# Altium PCB CU-ON-OFF-V2-08-11-18.PcbDoc (part 2 of 14)
Units mm, origin at the board's own origin, x right, y up, seen from the top; angles counter-clockwise.
Board outline 213 x 122.62 mm, 2 copper layers (Top Layer, Bottom Layer); 304 components, 53 nets, 991 pads, 702 vias.
Unrouted connection lines stored in the file: 1.
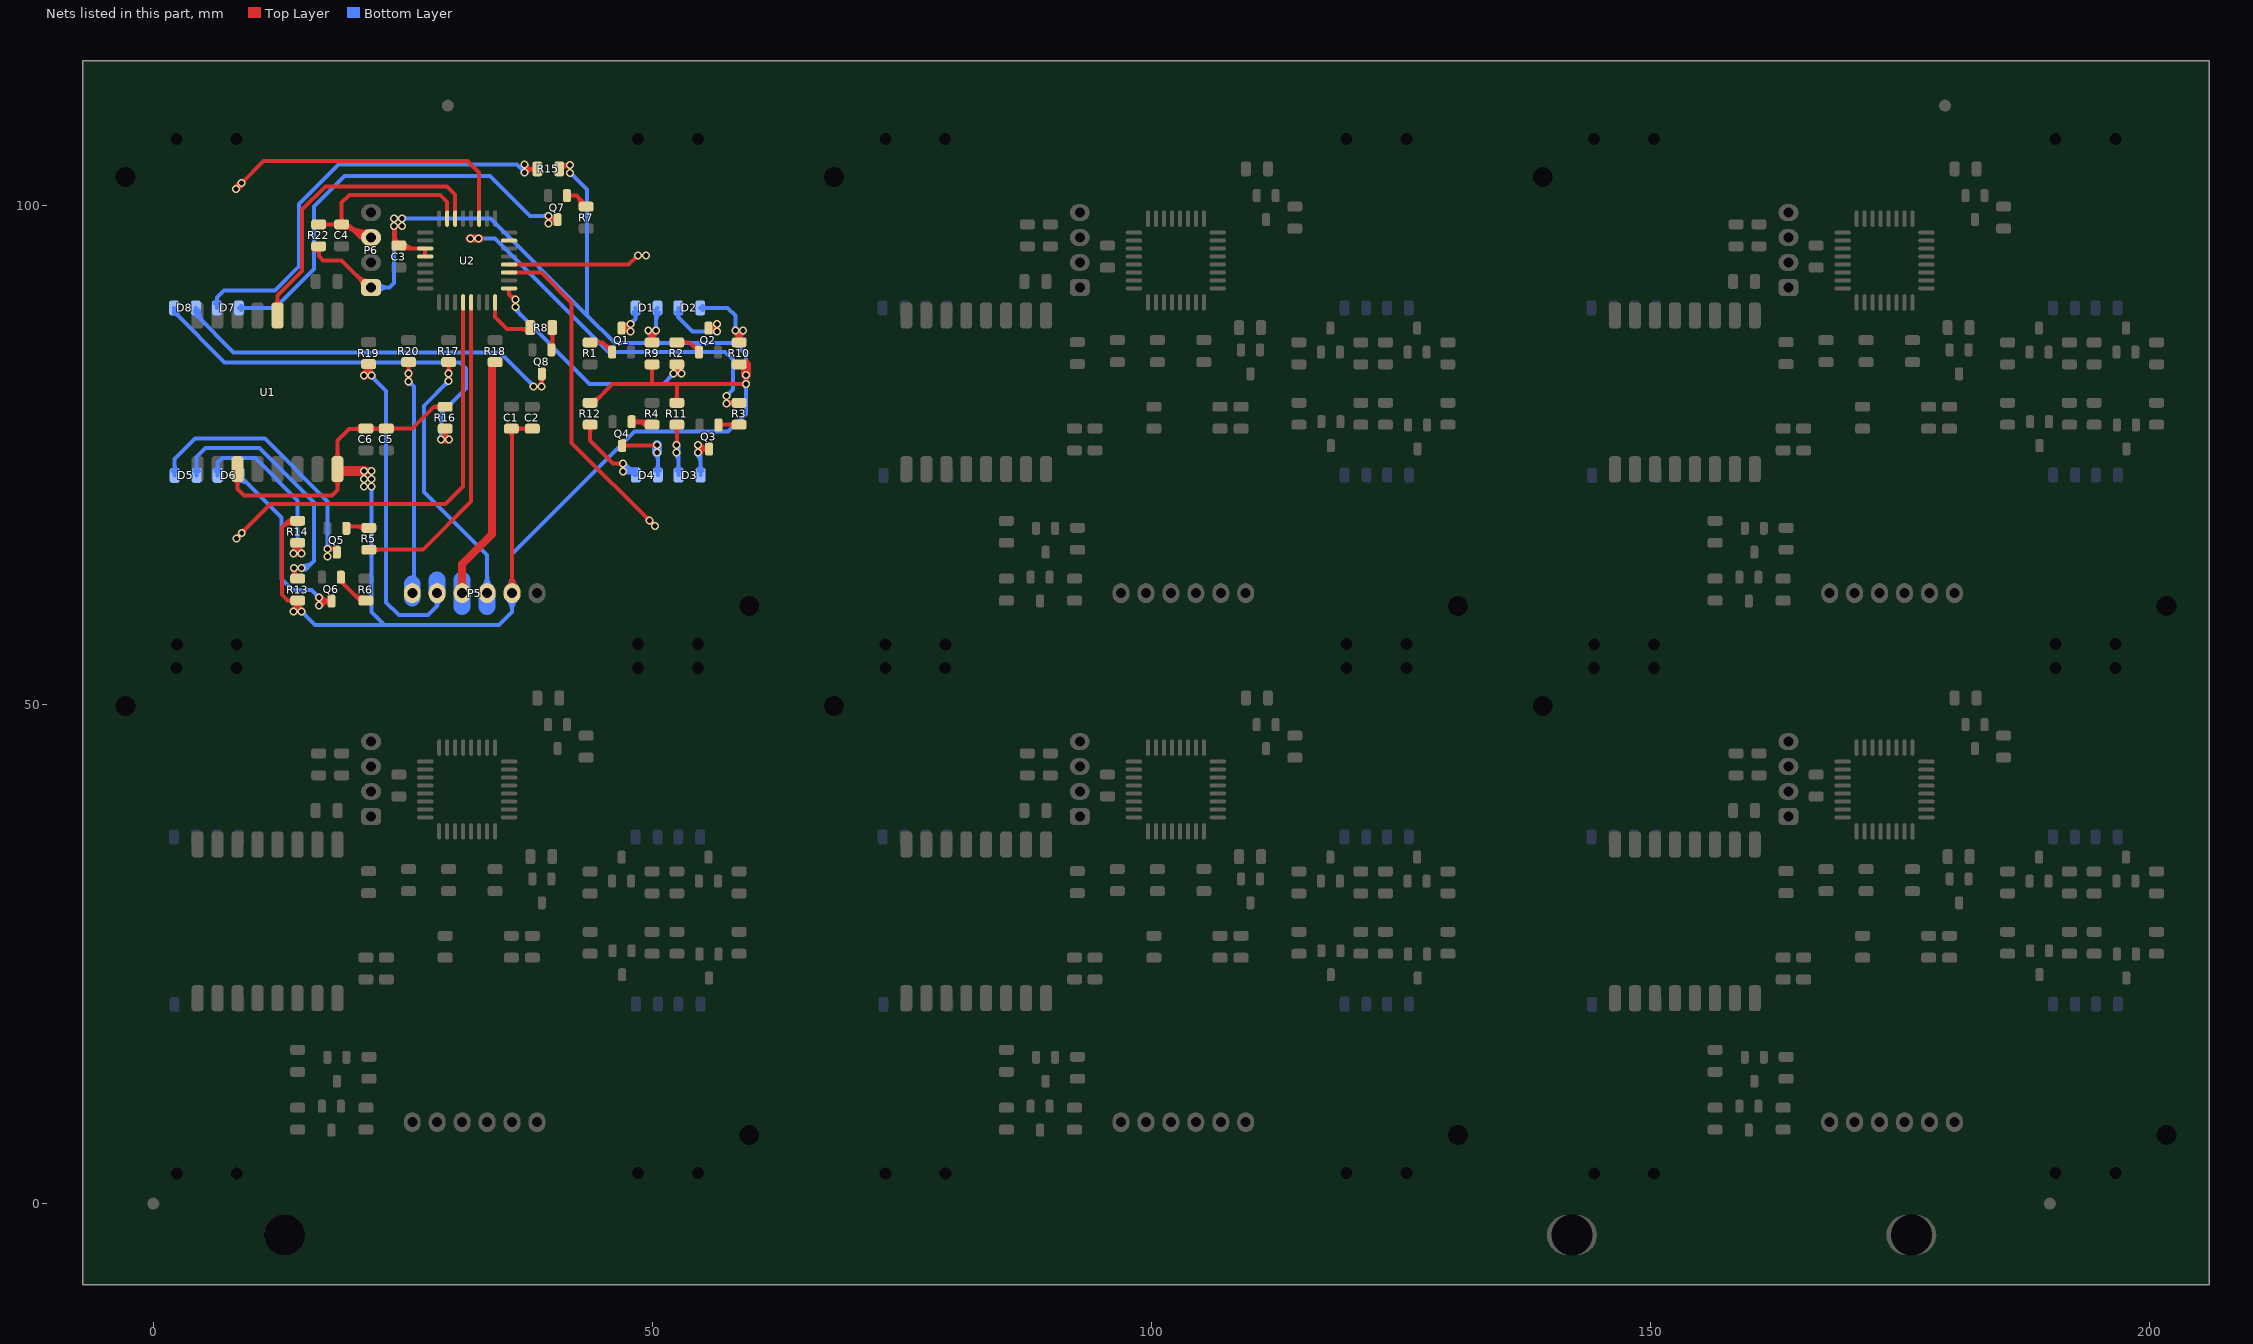
[diagram p2: the nets of this part, all layers, seen from the top]

## Via types
v1: diameter 0.8, hole 0.5, Top Layer to Bottom Layer, 702 vias

## Nets (pads, with @x,y where several pads share a name; then routed paths per layer and width w, separated by ;. In a path a pad name is that pad's centre, name@x,y a point inside that pad or via, vN(x,y) a via of type N, cw(c..) or ccw(c..) an arc to the next point about the centre after c; other vN are vias at no path point) (continued)
"LED X1": R2.2 U2.17 | length 34.7
  Top Layer w0.4: U2.17@35.641,91.681 35.641,91.081 36.266,90.456 v1(36.266,89.806) ; 35.711,91.011 ccw(c36.266,91.566) v1@36.266,90.781 ; v1@36.125,89.947 ccw(c35.783,90.289) 36.266,90.289 ccw(c36.749,90.289) v1@36.407,89.947 ; v1@36.125,90.44 cw(c35.783,90.098) 36.266,90.098 cw(c36.749,90.098) v1@36.407,90.44 ; v1@36.148,89.968 ccw(c36.013,90.154) v1@36.235,90.213 ; v1@36.297,90.213 ccw(c36.519,90.154) v1@36.384,89.968 ; v1@52.027,83.331 ccw(c51.556,84.081) R2.2@52.441,84.081 ; v1@52.074,83.353 ccw(c51.872,84.013) R2.2@52.539,83.834 ; v1(52.133,83.162) 52.441,83.47 ; v1@52.148,83.361 ccw(c52.176,83.735) 52.441,83.47 ; R2.2@52.258,83.844 cw(c51.969,83.47) 52.441,83.47 ; v1@52.332,83.177 cw(c52.706,83.205) 52.441,83.47 ; 52.441,83.53 ccw(c53.028,83.53) v1@52.846,82.972 ; R2.2@52.624,83.844 ccw(c52.913,83.47) 52.441,83.47 ; v1@52.97,83.352 cw(c53.207,84.081) R2.2@52.441,84.081 ; 52.441,83.47 R2.2@52.441,84.081
  Bottom Layer w0.4: v1@36.125,89.947 ccw(c35.783,90.289) 36.266,90.289 ccw(c36.749,90.289) v1@36.407,89.947 ; v1@36.125,90.44 cw(c35.783,90.098) 36.266,90.098 cw(c36.749,90.098) v1@36.407,90.44 ; v1@36.148,89.968 ccw(c36.013,90.154) v1@36.235,90.213 ; v1(36.266,90.581) 36.266,89.556 43.698,82.124 51.095,82.124 v1(52.133,83.162) ; v1@36.297,90.213 ccw(c36.519,90.154) v1@36.384,89.968 ; v1@36.466,89.806 ccw(c37.552,89.806) 36.784,89.038 ; v1@51.933,83.162 cw(c51.45,83.162) 51.792,82.821 cw(c52.133,82.479) v1@52.133,82.962
  other v1: 52.908,83.162
"LED X2": R3.2 U2.23 | length 45.6
  Top Layer w0.4: v1@31.939,96.815 ccw(c32.747,97.623) v1@32.747,96.481 ; 32.166,96.481 ccw(c32.166,96.688) v1@32.373,96.681 ; v1(57.42,80.137) 57.513,80.231 R3.2@58.691,80.231 ; v1@57.52,80.311 ccw(c57.738,80.689) 57.851,80.267 ; v1@57.561,79.996 cw(c58.128,79.429) R3.2@58.128,80.231 ; v1@57.593,80.037 cw(c58.051,79.773) 57.914,80.284 ; R3.2@58.229,80.019 ccw(c57.717,79.507) 57.717,80.231 ccw(c57.717,80.955) R3.2@58.229,80.443
  Top Layer w0.8: v1@31.666,96.681 v1(32.573,96.674) ; v1(31.798,96.674) v1@32.705,96.667
  Bottom Layer w0.4: v1(31.798,96.674) 34.248,96.674 45.596,85.326 57.281,85.326 58.058,84.549 58.058,81.551 v1(57.42,80.913) ; v1@31.939,96.533 cw(c32.281,96.191) 32.281,96.674 cw(c32.281,97.157) v1@31.939,96.815 ; v1@32.166,96.643 cw(c32.225,96.421) v1@32.411,96.556 ; v1@32.166,96.705 ccw(c32.225,96.927) v1@32.411,96.792 ; v1@32.432,96.533 ccw(c32.09,96.191) 32.09,96.674 ccw(c32.09,97.157) v1@32.432,96.815 ; v1@32.714,96.533 cw(c33.056,96.191) 33.056,96.674 cw(c33.056,97.157) v1@32.714,96.815 ; v1@57.42,81.113 ccw(c57.42,81.595) 57.761,81.254 ccw(c58.102,80.913) v1@57.62,80.913
"LED X3": R5.2 U2.13 | length 33.3
  Top Layer w0.4: R5.2@21.616,65.506 27.016,65.506 31.841,70.331 U2.13@31.841,90.281 ; R5.2@22.053,65.294 cw(c22.565,64.782) 22.565,65.506 cw(c22.565,66.23) R5.2@22.053,65.718
"LED X4": R8.2 U2.16 | length 6.3
  Top Layer w0.4: U2.16@34.241,90.281 34.241,88.806 35.441,87.606 R8.2@37.766,87.606 ; 36.8,87.606 cw(c36.8,86.54) R8.2@37.554,87.294
NetD1_1: D1.1 R9.2 | length 11.9
  Top Layer w0.4: v1@49.454,87.321 cw(c48.528,86.221) R9.2@49.966,86.221 ; v1@49.505,87.29 ccw(c49.711,87.776) v1@50.174,87.524 ; v1@49.583,87.274 cw(c49.583,86.791) 49.924,87.133 cw(c50.266,87.474) v1@49.783,87.474 ; v1(49.583,87.474) 49.966,87.091 R9.2@49.966,86.281 ; v1@49.712,87.627 cw(c49.252,87.081) 49.966,87.081 ; R9.2@49.754,86.493 ccw(c49.242,87.005) 49.966,87.005 ccw(c50.69,87.005) R9.2@50.178,86.493 ; R9.2@49.966,86.218 cw(c51.394,86.218) v1@50.485,87.32 ; 49.966,87.067 cw(c50.694,87.067) v1@50.231,87.628
  Bottom Layer w0.4: v1@50.217,87.615 ccw(c49.875,87.957) 50.358,87.957 ccw(c50.841,87.957) v1@50.499,87.615 ; v1(50.358,87.474) 50.358,89.573 D1.1@50.516,89.731 ; 50.358,88.375 cw(c51.622,88.375) D1.1@50.728,89.269
NetD1_2: D1.2 Q1.1 | length 14.5
  Top Layer w0.4: Q1.1@46.782,87.807 ccw(c47.13,88.194) 47.498,87.826 ; Q1.1@47.05,88.105 ccw(c47.413,88.507) v1(47.796,88.124) 47.378,87.706 ; Q1.1@47.062,87.569 cw(c47.378,87.272) 47.378,87.706 ; Q1.1@47.062,87.843 ccw(c47.378,88.139) 47.378,87.706 ; Q1.1@47.21,87.66 ccw(c46.791,88.386) v1@47.602,88.174 ; 47.443,87.795 ccw(c47.288,88.065) v1@47.597,88.101 ; 47.486,87.706 ccw(c47.486,88.236) v1@47.984,88.056 ; 47.548,87.706 cw(c47.548,87.232) v1@47.977,87.435 ; v1@47.596,88.124 cw(c47.113,88.124) 47.455,87.783 cw(c47.796,87.441) v1@47.796,87.924 ; v1@47.608,88.192 cw(c46.916,88.441) Q1.1@46.916,87.706 ; v1@47.615,87.263 ccw(c46.916,86.932) Q1.1@46.916,87.706 ; Q1.1@46.916,87.706 47.378,87.706 ; 47.449,87.743 cw(c47.378,87.005) 47.95,87.476 ccw(c47.378,87.005) 47.449,87.743 ; v1@47.603,88.177 ccw(c48.091,88.043) 47.914,87.569 cw(c48.091,88.043) v1@47.603,88.177
  Bottom Layer w0.4: v1(47.796,88.124) 48.316,88.644 D1.2@48.316,89.731 ; v1@47.796,88.324 ccw(c47.796,88.807) 48.137,88.465 ccw(c48.479,88.124) v1@47.996,88.124 ; D1.2@48.104,89.269 cw(c47.592,88.757) 48.316,88.757 cw(c49.04,88.757) D1.2@48.528,89.269
  other v1: 47.796,87.349
NetD2_1: D2.1 R10.2 | length 14.2
  Top Layer w0.4: v1@58.179,87.321 cw(c57.253,86.221) R10.2@58.691,86.221 ; v1@58.308,87.274 cw(c58.308,86.791) 58.649,87.133 cw(c58.991,87.474) v1@58.508,87.474 ; v1(58.308,87.474) 58.691,87.091 R10.2@58.691,86.281 ; v1@58.437,87.627 cw(c57.977,87.081) 58.691,87.081 ; R10.2@58.479,86.493 ccw(c57.967,87.005) 58.691,87.005 ccw(c59.415,87.005) R10.2@58.903,86.493 ; R10.2@58.691,86.218 cw(c60.119,86.218) v1@59.21,87.32 ; 58.691,87.067 cw(c59.419,87.067) v1@58.956,87.628
  Bottom Layer w0.4: D2.1@54.791,89.731 57.541,89.731 58.308,88.964 v1(58.308,87.474) ; D2.1@55.003,89.519 cw(c55.515,89.007) 55.515,89.731 cw(c55.515,90.455) D2.1@55.003,89.943 ; v1@58.167,87.615 ccw(c57.825,87.957) 58.308,87.957 ccw(c58.791,87.957) v1@58.449,87.615
  other v1: 59.083,87.474
NetD2_2: D2.2 Q2.1 | length 13.7
  Top Layer w0.4: Q2.1@55.688,87.816 cw(c55.453,86.938) v1@56.297,87.275 ; Q2.1@55.757,87.565 cw(c56.099,87.223) 56.099,87.706 cw(c56.099,88.189) Q2.1@55.757,87.847 ; 56.177,87.706 ccw(c56.177,88.23) v1@56.672,88.059 ; 56.239,87.706 cw(c56.239,87.237) v1@56.665,87.432 ; v1@56.283,87.349 ccw(c55.8,87.349) 56.142,87.69 ccw(c56.483,88.032) v1@56.483,87.549 ; v1@56.294,88.189 cw(c55.616,88.423) Q2.1@55.616,87.706 ; v1@56.301,87.266 ccw(c55.616,86.953) Q2.1@55.616,87.706 ; v1(56.483,87.349) 56.126,87.706 Q2.1@55.616,87.706
  Bottom Layer w0.4: D2.2@52.379,89.269 cw(c51.867,88.757) 52.591,88.757 ; D2.2@52.591,89.731 52.591,88.756 ; D2.2@52.803,89.269 ccw(c53.315,88.757) 52.591,88.757 ; v1@56.342,87.208 ccw(c56,86.866) 56,87.349 ccw(c56,87.832) v1@56.342,87.49 ; v1(56.483,87.349) 53.998,87.349 52.591,88.756
  other v1: 56.483,88.124
NetD3_1: D3.1 R11.2 | length 10.4
  Top Layer w0.4: R11.2@52.229,77.819 cw(c51.717,77.307) 52.441,77.307 cw(c53.165,77.307) R11.2@52.653,77.819 ; v1@52.292,76.14 ccw(c51.931,76.501) 52.441,76.501 ; v1(52.433,75.999) 52.441,76.007 R11.2@52.441,78.031 ; 52.441,76.463 ccw(c52.897,76.463) v1@52.574,76.14
  Bottom Layer w0.4: v1@52.292,75.083 cw(c51.508,74.299) 52.616,74.299 ; v1@52.292,75.858 cw(c51.508,75.074) v1@52.616,75.074 ; v1@52.351,75.406 ccw(c52.167,75.816) v1@52.616,75.816 ; D3.1@52.404,73.443 ccw(c51.892,73.955) 52.616,73.955 ccw(c53.34,73.955) D3.1@52.828,73.443 ; v1(52.433,75.999) v1@52.616,75.816 ; D3.1@52.616,72.981 52.616,74.268 v1@52.616,75.816
  other v1: 52.433,75.224
NetD3_2: D3.2 Q3.1 | length 12.9
  Top Layer w0.4: v1@54.414,75.891 ccw(c54.936,76.224) 54.936,75.606 ; v1@54.416,75.334 cw(c54.922,75) 54.922,75.606 ; v1(54.583,75.224) 54.965,75.606 Q3.1@55.666,75.606 ; v1@54.583,75.424 ccw(c54.583,75.907) 54.924,75.565 ccw(c55.266,75.224) v1@54.783,75.224 ; v1@54.75,75.114 cw(c55.666,74.507) Q3.1@55.666,75.606 cw(c55.666,76.691) v1@54.752,76.107 ; Q3.1@55.525,75.465 ccw(c55.183,75.123) 55.183,75.606 ccw(c55.183,76.089) Q3.1@55.525,75.747
  Bottom Layer w0.4: v1@54.442,75.083 cw(c53.538,74.179) 54.816,74.179 ; v1@54.442,75.858 cw(c53.538,74.954) v1@54.816,74.954 ; v1@54.539,75.419 ccw(c54.46,75.766) v1@54.816,75.766 ; v1(54.583,75.999) v1@54.816,75.766 ; D3.2@54.604,73.443 ccw(c54.092,73.955) 54.816,73.955 ccw(c55.54,73.955) D3.2@55.028,73.443 ; D3.2@54.816,72.981 v1@54.816,75.766
NetD4_1: D4.1 R12.2 | length 14.6
  Top Layer w0.4: R12.2@43.554,77.819 cw(c43.042,77.307) 43.766,77.307 cw(c44.49,77.307) R12.2@43.978,77.819 ; R12.2@43.766,78.031 43.766,76.431 46.073,74.124 v1(47.058,74.124) ; v1@46.917,73.983 ccw(c46.575,73.641) 46.575,74.124 ccw(c46.575,74.607) v1@46.917,74.265
  Bottom Layer w0.4: v1@46.973,73.53 cw(c47.282,72.87) 47.797,73.385 ; v1@47.058,73.924 cw(c47.058,73.441) 47.399,73.783 cw(c47.741,74.124) v1@47.258,74.124 ; v1(47.058,74.124) D4.1@48.201,72.981 ; v1@47.142,73.168 cw(c47.538,72.318) D4.1@48.201,72.981 ; v1@47.163,74.019 ccw(c48.341,75.197) D4.1@48.341,73.531 ; v1@47.251,74.176 ccw(c47.844,74.335) 47.537,73.803 ; D4.1@47.846,73.336 ccw(c48.341,73.831) D4.1@48.341,73.131 ; D4.1@48.341,72.981 D4.1@48.201,72.981
  other v1: 47.058,73.349
NetD4_2: D4.2 Q4.1 | length 11.6
  Top Layer w0.4: Q4.1@46.966,75.931 50.39,75.931 v1(50.458,75.999) ; Q4.1@47.107,75.79 cw(c47.449,75.448) 47.449,75.931 cw(c47.449,76.414) Q4.1@47.107,76.072 ; 49.811,75.931 ccw(c49.811,76.646) v1@50.317,76.14
  Bottom Layer w0.4: v1@50.317,75.083 cw(c49.775,74.541) 50.541,74.541 ; v1@50.317,75.365 ccw(c49.775,75.907) v1@50.541,75.907 ; v1@50.317,75.858 cw(c49.775,75.316) v1@50.541,75.316 ; D4.2@50.329,73.443 ccw(c49.817,73.955) 50.541,73.955 ccw(c51.265,73.955) D4.2@50.753,73.443 ; v1(50.458,75.999) 50.541,75.916 50.541,74.368 D4.2@50.541,72.981
  Bottom Layer w1: v1(50.458,75.224) v1(50.458,75.999)
NetD5_1: D5.1 R13.2 | length 31.3
  Top Layer w0.4: v1@13.942,63.521 cw(c13.6,63.18) 14.083,63.18 cw(c14.566,63.18) v1@14.224,63.521 ; v1@13.983,63.489 cw(c13.747,63.08) 14.203,63.202 ; v1@14.083,63.651 ccw(c15.261,63.651) R13.2@14.428,62.818 ; v1(14.083,63.662) 14.083,62.989 R13.2@14.466,62.606 ; 14.207,63.189 cw(c14.683,63.316) v1@14.256,63.562
  Bottom Layer w0.4: D5.1@4.129,73.418 ccw(c3.617,73.93) 4.341,73.93 ccw(c5.065,73.93) D5.1@4.553,73.418 ; D5.1@4.341,72.956 4.341,74.806 5.241,75.706 10.641,75.706 16.116,70.231 16.116,64.381 ; v1@14.857,63.463 ccw(c14.86,64.277) 15.436,63.701 ; v1(14.858,63.662) 15.397,63.662 16.116,64.381 ; v1@14.859,63.862 ccw(c14.864,65.633) 16.116,64.381 ; v1@14.999,63.521 cw(c15.341,63.18) 15.341,63.662 cw(c15.341,64.145) v1@14.999,63.804
NetD5_2: D5.2 Q5.1 | length 30
  Top Layer w0.4: v1@17.47,65.474 v1@17.627,65.631 ; v1@17.611,65.458 cw(c18.03,65.039) Q5.1@18.03,65.631 ; v1@17.611,65.74 ccw(c17.876,66.005) 17.876,65.631 ; v1@17.613,65.459 cw(c17.851,65.225) 17.938,65.548 ; Q5.1@18.247,65.367 ccw(c17.627,64.771) v1@17.627,65.631 ; Q5.1@18.391,65.631 v1@17.627,65.631
  Bottom Layer w0.4: D5.2@1.929,73.418 ccw(c1.417,73.93) 2.141,73.93 ccw(c2.865,73.93) D5.2@2.353,73.418 ; D5.2@2.141,72.956 2.141,74.606 4.166,76.631 11.191,76.631 17.47,70.352 v1@17.47,65.474 ; v1@17.329,65.74 ccw(c16.987,66.082) 17.47,66.082 ccw(c17.953,66.082) v1@17.611,65.74
  other v1: 17.47,64.824 17.47,65.599
NetD6_1: D6.1 R14.2 | length 28.4
  Top Layer w0.4: v1@13.955,65.307 ccw(c13.42,66.206) R14.2@14.466,66.206 ; v1@14.16,64.964 ccw(c13.84,65.502) 14.466,65.502 ; R14.2@14.254,65.994 cw(c13.742,65.482) 14.466,65.482 cw(c15.19,65.482) R14.2@14.678,65.994 ; R14.2@14.347,65.925 ccw(c15.198,66.153) v1@14.9,65.324 ; v1@14.466,65.156 R14.2@14.466,66.206 ; 14.466,65.451 ccw(c15.047,65.451) v1@14.721,64.97 ; v1@14.945,65.301 cw(c15.56,66.206) R14.2@14.466,66.206
  Bottom Layer w0.4: D6.1@6.229,73.418 ccw(c5.717,73.93) 6.441,73.93 ccw(c7.165,73.93) D6.1@6.653,73.418 ; D6.1@6.441,72.956 6.441,74.231 6.916,74.706 10.216,74.706 14.466,70.456 14.466,65.502 v1(14.833,65.136) ; v1@13.916,65.277 ccw(c12.59,66.604) 14.466,66.604 ; v1@14.199,64.994 ccw(c13.556,65.638) 14.466,65.638 ; 14.466,65.539 ccw(c15.236,65.539) v1@14.691,64.994 ; 14.466,66.504 ccw(c16.202,66.504) v1@14.974,65.277
  other v1: 14.058,65.136
NetD6_2: D6.2 Q6.1 | length 25.8
  Top Layer w0.4: v1@16.456,60.04 cw(c17.068,59.607) 17.068,60.356 ; v1@16.471,60.565 ccw(c16.941,60.989) 16.941,60.356 ; v1@16.619,60.499 cw(c16.619,60.016) 16.961,60.358 cw(c17.302,60.699) v1@16.819,60.699 ; v1(16.619,60.699) 16.962,60.356 Q6.1@17.841,60.356 ; v1@16.651,60.17 ccw(c16.389,60.56) v1@16.791,60.802 ; v1@16.768,60.833 ccw(c17.841,61.801) Q6.1@17.841,60.356 ; v1@16.783,59.809 cw(c17.841,59.06) Q6.1@17.841,60.356 ; Q6.1@17.7,60.215 ccw(c17.358,59.873) 17.358,60.356 ccw(c17.358,60.839) Q6.1@17.7,60.497
  Bottom Layer w0.4: D6.2@8.641,72.406 cw(c8.641,71.078) 9.58,72.017 ; D6.2@8.641,72.956 12.841,68.756 12.841,62.581 13.941,61.481 15.838,61.481 v1(16.619,60.699) ; v1@16.419,60.699 ccw(c15.937,60.699) 16.278,61.04 ccw(c16.619,61.382) v1@16.619,60.899
  other v1: 16.619,59.924
NetD7_1: D7.1 R15.2 | length 47.4
  Top Layer w0.4: v1@37.209,103.899 cw(c37.209,103.416) 37.551,103.758 cw(c37.892,104.099) v1@37.409,104.099 ; v1(37.209,104.099) 37.652,103.656 R15.2@37.982,103.656 ; v1@37.396,103.253 cw(c37.982,103.029) R15.2@37.982,103.656 ; 37.927,103.712 R15.2@37.982,103.656 ; R15.2@38.254,103.444 ccw(c37.742,102.932) 37.742,103.656 ccw(c37.742,104.38) R15.2@38.254,103.868 ; R15.2@38.466,103.656 R15.2@37.982,103.656
  Bottom Layer w0.4: D7.1@6.154,90.193 ccw(c5.642,90.705) 6.366,90.705 ccw(c7.09,90.705) D7.1@6.578,90.193 ; D7.1@6.366,89.731 6.366,90.756 7.091,91.481 12.191,91.481 14.616,93.906 14.616,100.156 18.559,104.099 36.435,104.099 v1(37.209,103.324) ; v1@37.009,103.324 ccw(c36.527,103.324) 36.868,103.665 ccw(c37.209,104.007) v1@37.209,103.524
NetD7_2: D7.2 Q7.1 | length 47.5
  Top Layer w0.4: v1@39.405,98.283 cw(c39.963,97.91) 39.963,98.581 ; v1@39.412,98.826 ccw(c39.906,99.201) 39.906,98.581 ; v1@39.571,98.747 cw(c39.571,98.264) 39.912,98.606 cw(c40.254,98.947) v1@39.771,98.947 ; v1(39.571,98.947) 39.937,98.581 Q7.1@40.491,98.581 ; Q7.1@40.35,98.44 ccw(c40.008,98.098) 40.008,98.581 ccw(c40.008,99.064) Q7.1@40.35,98.722
  Bottom Layer w0.4: D7.2@8.566,89.731 12.191,89.731 16.091,93.631 16.091,99.906 19.141,102.956 33.741,102.956 37.75,98.947 v1(39.571,98.947) ; D7.2@8.778,89.519 cw(c9.29,89.007) 9.29,89.731 cw(c9.29,90.455) D7.2@8.778,89.943 ; v1@39.43,98.806 ccw(c39.088,98.464) 39.088,98.947 ccw(c39.088,99.43) v1@39.43,99.088
  other v1: 39.571,98.172
NetD8_1: D8.1 R16.2 | length 47.1
  Top Layer w0.4: v1@28.829,76.76 ccw(c28.82,77.181) R16.2@29.241,77.181 ; v1@28.837,76.361 ccw(c28.829,76.773) 29.241,76.773 ; R16.2@29.029,77.419 cw(c28.517,76.907) 29.241,76.907 cw(c29.965,76.907) R16.2@29.453,77.419 ; R16.2@29.122,77.35 ccw(c29.973,77.578) v1@29.675,76.749 ; 29.241,76.331 R16.2@29.241,77.181 ; 29.241,76.743 ccw(c29.624,76.743) v1@29.59,76.361 ; v1@29.626,76.76 cw(c29.664,77.181) R16.2@29.241,77.181
  Bottom Layer w0.4: D8.1@2.066,89.181 cw(c2.066,88.759) D8.1@2.365,89.057 ; D8.1@2.066,89.731 2.066,89.356 7.141,84.281 30.741,84.281 31.341,83.681 31.341,81.656 28.87,79.185 v1@28.87,76.523 ; D8.1@2.366,89.481 ccw(c3.392,89.481) 2.667,88.755 ; v1@28.691,76.702 ccw(c28.259,77.134) 28.87,77.134
  other v1: 28.833,76.561 29.608,76.561
NetD8_2: D8.2 Q8.1 | length 42.5
  Top Layer w0.4: v1@38.725,82.022 ccw(c38.262,82.485) Q8.1@38.916,82.485 ; Q8.1@38.775,82.74 cw(c38.433,82.398) 38.916,82.398 cw(c39.399,82.398) Q8.1@39.057,82.74 ; Q8.1@38.916,83.131 38.916,81.906 v1@38.941,81.881
  Bottom Layer w0.4: D8.2@4.166,89.481 ccw(c4.951,89.481) 4.396,88.926 ; D8.2@4.266,89.731 4.266,89.056 8.041,85.281 34.741,85.281 v1@38.153,81.869 ; D8.2@4.566,89.481 ccw(c6.316,89.481) 5.079,88.243 ; 37.714,82.308 cw(c37.287,81.881) v1@37.891,81.881
  other v1: 38.091,81.881 38.866,81.881
NetP1_1: U2.27 | length 34.6
  Top Layer w0.4: v1@8.283,101.849 ccw(c8.283,102.272) v1@8.582,101.973 ; v1@8.346,101.837 ccw(c8.05,102.351) v1@8.636,102.256 ; v1@8.481,101.755 cw(c8.969,101.473) v1@8.869,102.027 ; v1@8.633,102.224 cw(c8.15,102.224) 8.492,101.883 cw(c8.833,101.541) v1@8.833,102.024 ; v1@8.642,102.033 ccw(c9.026,101.649) 8.483,101.649 v1(8.833,102.224) 11.04,104.431 31.491,104.431 32.641,103.281 U2.27@32.641,98.681 ; v1@8.833,102.424 ccw(c8.833,102.907) 9.174,102.565 ccw(c9.516,102.224) v1@9.033,102.224
  Top Layer w0.8: v1@8.27,101.662 v1(8.833,102.224)
  other v1: 8.283,101.649
NetP2_1: U2.12 | length 46.6
  Top Layer w0.4: v1@8.308,66.824 ccw(c8.308,67.246) v1@8.607,66.948 ; v1@8.34,66.682 11.74,70.081 29.266,70.081 31.041,71.856 U2.12@31.041,90.281 ; v1@8.371,66.812 ccw(c8.074,67.326) v1@8.661,67.231 ; v1@8.506,66.73 cw(c8.994,66.448) v1@8.894,67.002 ; v1@8.508,66.624 cw(c9.051,66.624) v1@8.667,67.008 ; v1@8.658,67.199 cw(c8.175,67.199) 8.517,66.858 cw(c8.858,66.516) v1@8.858,66.999 ; v1@8.858,67.399 ccw(c8.858,67.882) 9.199,67.54 ccw(c9.541,67.199) v1@9.058,67.199
  other v1: 8.308,66.624 8.858,67.199
NetP3_1: U2.19 | length 36.7
  Top Layer w0.4: U2.19@35.641,93.281 38.866,93.281 41.916,90.231 41.916,76.216 v1@50.27,67.862 ; v1@49.508,68.424 ccw(c49.025,68.424) 49.367,68.765 ccw(c49.708,69.107) v1@49.708,68.624 ; v1@49.676,68.227 cw(c49.581,67.641) v1@50.095,67.937 ; v1@49.708,68.224 cw(c49.708,67.741) 50.049,68.083 cw(c50.391,68.424) v1@49.908,68.424 ; v1@49.899,68.233 ccw(c50.283,68.617) v1@50.283,68.074 ; v1@49.905,68.46 ccw(c50.459,68.56) v1@50.177,68.072 ; v1@49.959,68.173 cw(c49.661,67.874) v1@50.083,67.874
  other v1: 50.283,67.874 49.708,68.424
NetP4_1: U2.20 | length 14.1
  Top Layer w0.4: U2.20@35.641,94.081 47.62,94.081 48.545,95.006 v1@48.552,94.999 ; 48.182,94.643 cw(c48.558,94.268) v1@48.558,94.799 ; 48.231,94.692 ccw(c47.923,94.999) v1@48.358,94.999
  other v1: 48.558,94.999 49.339,94.999
NetP5_1: P5.1 R20.1 | length 35.9
  Top Layer w0.4: R20.1@25.366,84.094 cw(c24.854,83.582) 25.578,83.582 cw(c26.303,83.582) R20.1@25.791,84.094 ; v1@25.437,82.522 ccw(c25.096,82.864) 25.578,82.864 ccw(c26.061,82.864) v1@25.72,82.522 ; v1@25.437,83.015 cw(c25.096,82.673) 25.578,82.673 cw(c26.061,82.673) v1@25.72,83.015 ; v1@25.437,83.297 ccw(c25.096,83.639) 25.578,83.639 ccw(c26.061,83.639) v1@25.72,83.297 ; v1@25.461,82.994 cw(c25.326,82.808) v1@25.548,82.749 ; v1@25.578,82.106 R20.1@25.578,84.306 ; v1@25.609,82.749 cw(c25.831,82.808) v1@25.696,82.994